# Altium PCB DC_Motor.PcbDoc
Units mil, origin at the board's own origin, x right, y up, seen from the top; angles counter-clockwise.
Board outline 2455 x 1125 mil, 2 copper layers (Top Layer, Bottom Layer); 46 components, 35 nets, 121 pads, 46 vias.
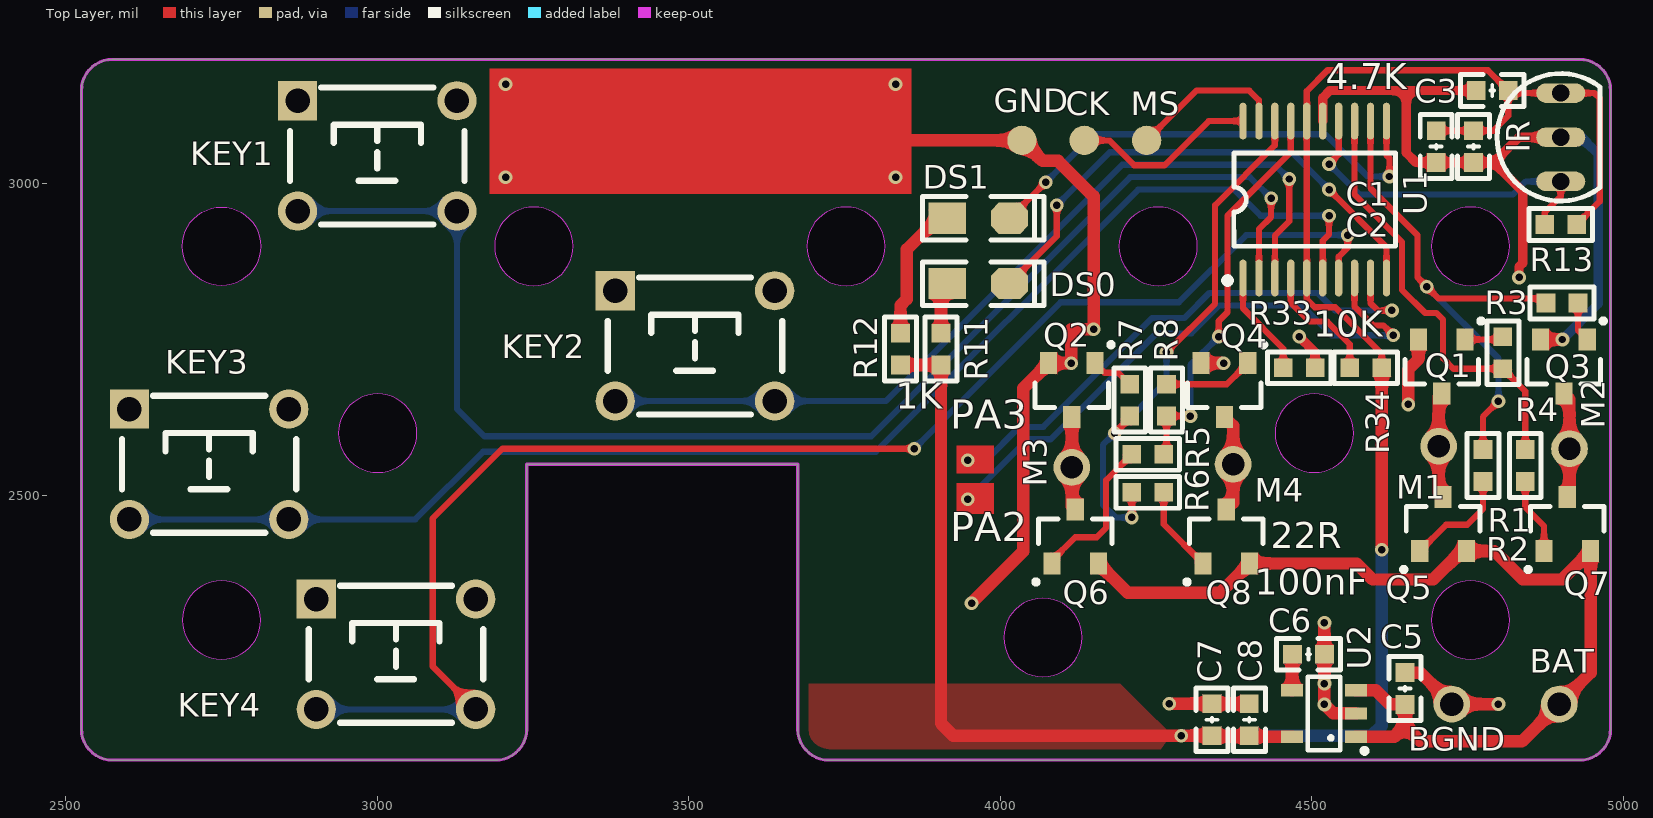
[diagram p0: Top Layer view]
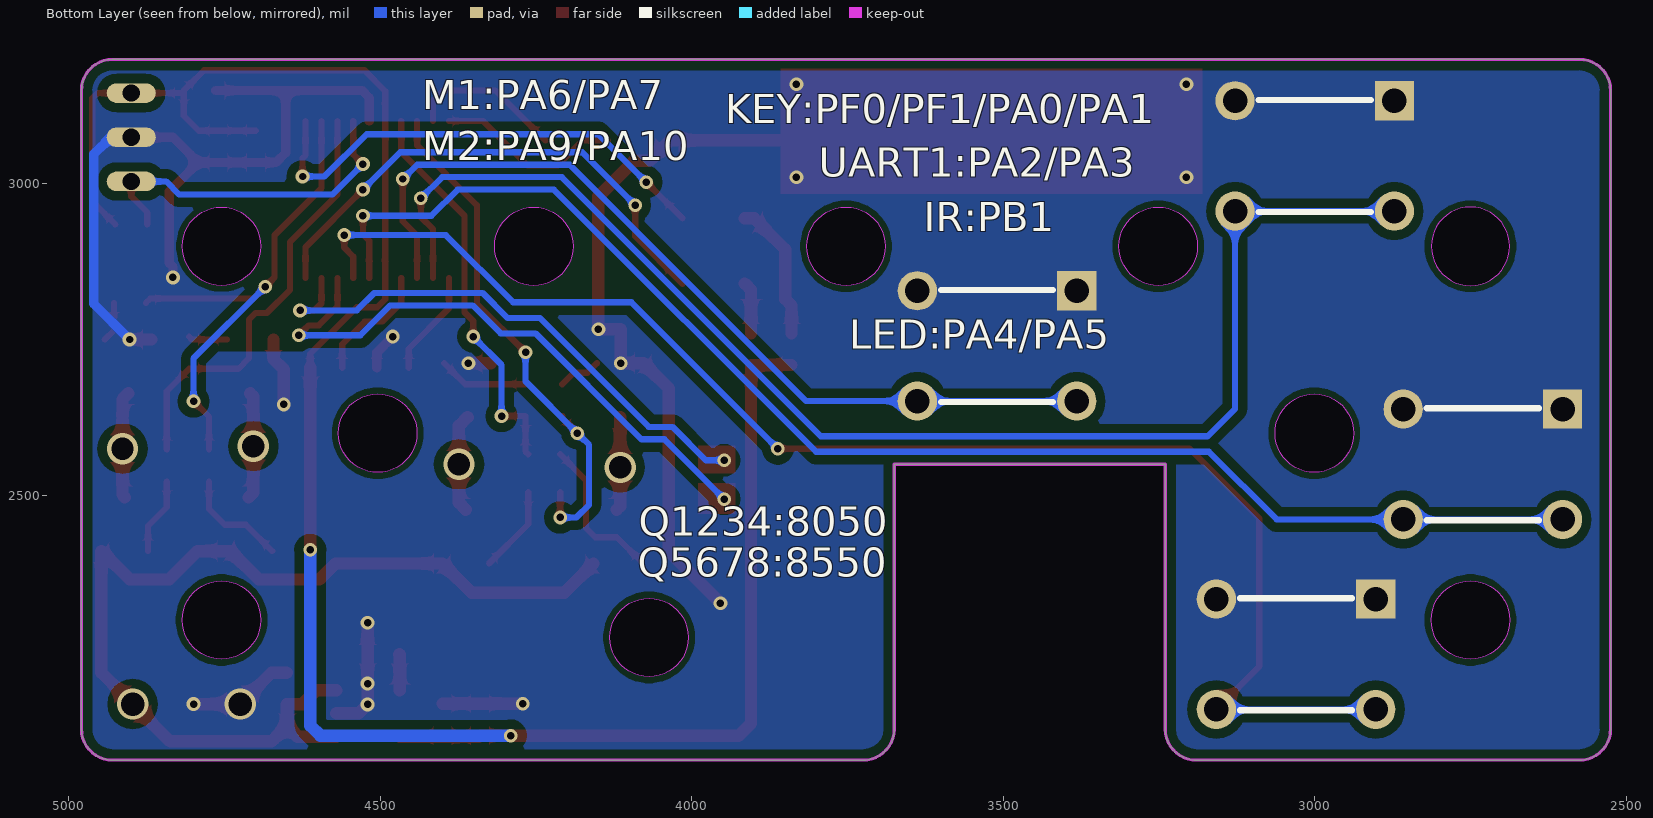
[diagram p1: Bottom Layer view, seen from below]
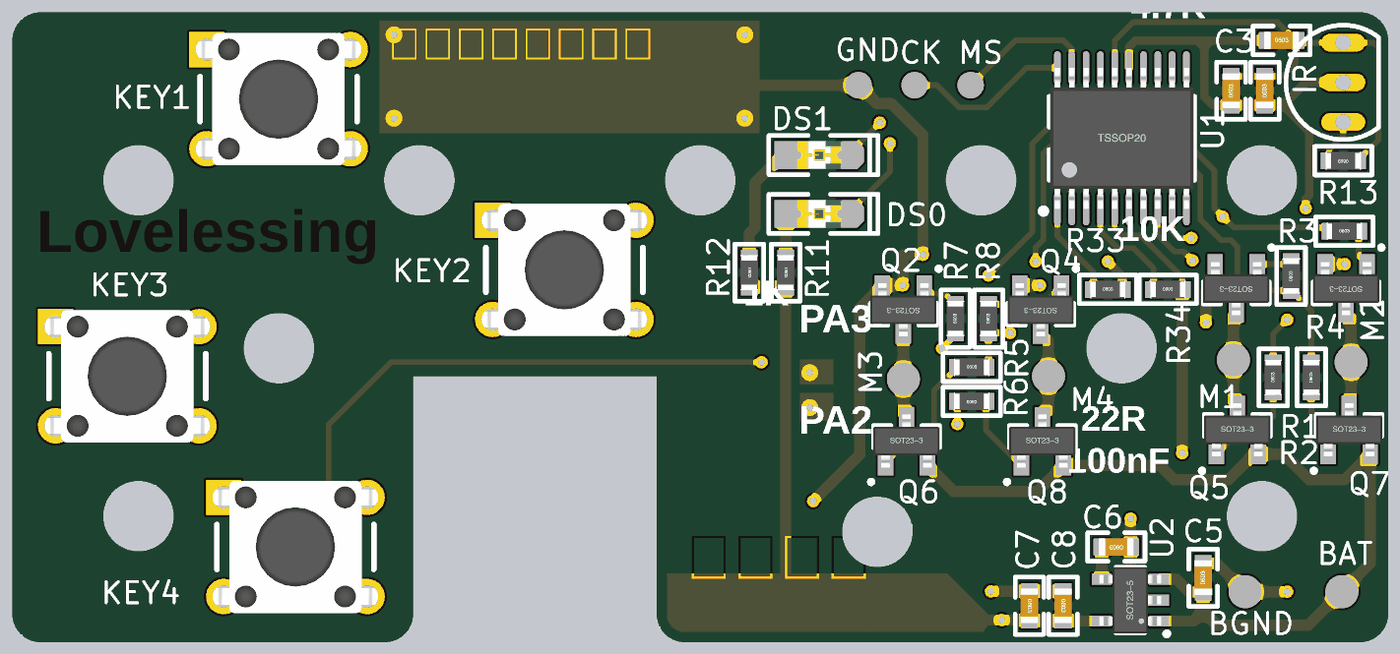
[diagram p2: 3D render of the assembled board from above, using the file's embedded part models]

## Layer stack, top to bottom
Top Solder: solder mask 0.4, Solder Resist, Dk 3.5
Top Layer: signal copper 1.4
Dielectric 1: dielectric 12.6, FR-4, Dk 4.8
Bottom Layer: signal copper 1.4
Bottom Solder: solder mask 0.4, Solder Resist, Dk 3.5

## Board outline
2525,2125 ccw(c2575,2125) 2575,2075 3190,2075 ccw(c3190,2125) 3240,2125 3240,2550 3675,2550 3675,2125 ccw(c3725,2125) 3725,2075 4930,2075 ccw(c4930,2125) 4980,2125 4980,3150 ccw(c4930,3150) 4930,3200 2575,3200 ccw(c2575,3150) 2525,3150
cut-out: 4692.01,2300 ccw(c4755,2300) 4755,2237.01 ccw(c4755,2300) 4817.99,2300 ccw(c4755,2300) 4755,2362.99 ccw(c4755,2300)
cut-out: 4692.01,2900 ccw(c4755,2900) 4755,2837.01 ccw(c4755,2900) 4817.99,2900 ccw(c4755,2900) 4755,2962.99 ccw(c4755,2900)
cut-out: 4441.38,2600 ccw(c4504.38,2600) 4504.38,2537.01 ccw(c4504.38,2600) 4567.37,2600 ccw(c4504.38,2600) 4504.38,2662.99 ccw(c4504.38,2600)
cut-out: 4190.76,2900 ccw(c4253.75,2900) 4253.75,2837.01 ccw(c4253.75,2900) 4316.74,2900 ccw(c4253.75,2900) 4253.75,2962.99 ccw(c4253.75,2900)
cut-out: 4005.67,2272.01 ccw(c4068.66,2272.01) 4068.66,2209.02 ccw(c4068.66,2272.01) 4131.65,2272.01 ccw(c4068.66,2272.01) 4068.66,2335 ccw(c4068.66,2272.01)
cut-out: 3689.51,2900 ccw(c3752.5,2900) 3752.5,2837.01 ccw(c3752.5,2900) 3815.49,2900 ccw(c3752.5,2900) 3752.5,2962.99 ccw(c3752.5,2900)
cut-out: 3188.26,2900 ccw(c3251.25,2900) 3251.25,2837.01 ccw(c3251.25,2900) 3314.24,2900 ccw(c3251.25,2900) 3251.25,2962.99 ccw(c3251.25,2900)
cut-out: 2937.63,2600 ccw(c3000.62,2600) 3000.62,2537.01 ccw(c3000.62,2600) 3063.62,2600 ccw(c3000.62,2600) 3000.62,2662.99 ccw(c3000.62,2600)
cut-out: 2687.01,2300 ccw(c2750,2300) 2750,2237.01 ccw(c2750,2300) 2812.99,2300 ccw(c2750,2300) 2750,2362.99 ccw(c2750,2300)
cut-out: 2750,2837.01 cw(c2750,2900) 2687.01,2900 cw(c2750,2900) 2750,2962.99 cw(c2750,2900) 2812.99,2900 cw(c2750,2900)

## Design rules (kind name [scope] priority, off if disabled: settings)
Clearance [All] p1: gap=10 except(15: Arc-Poly Track-Poly SMDPad-Poly THPad-Poly Via-Poly Fill-Poly Poly-Poly)
PlaneConnect [All] p1: planeconnectstyle=Direct reliefexpansion=20 reliefentries=4 reliefconductorwidth=10 reliefairgap=10
PolygonConnect [All] p1: connectstyle=Direct reliefconductorwidth=10 reliefentries=4 polygonreliefangle="90 Angle" airgapwidth=10
RoutingVias [All] p1: holewidth=12 width=22 viastyle="Through Hole" minholewidth=12 minwidth=22 maxholewidth=200 maxwidth=500
SolderMaskExpansion [All] p1: expansion=4
Width [All] p1: maxlimit=200 minlimit=10 preferedwidth=10 minimp=50.000000 maximp=50.000000 favimp=50.000000
29 further rules are at their usual default settings.

## Components (designator, comment, footprint, x,y, rotation, side; value= is the part's Value field where it differs from the comment)
BAT "TEST" TP-1.5#1 4890,2165 r90 bottom
BGND "TEST" TP-1.5#2 4605,2165 r90 bottom
C1 "104" "C 0603_L" 4700,3060 r90 top
C2 "104" "C 0603_L" 4760,3060 r90 top
C3 "104" "C 0603_L" 4790,3150 r0 top
C5 "10uF" "C 0603_L" 4650,2190 r90 top
C6 "103" "C 0603_L" 4495,2245 r180 top
C7 "104" "C 0603_L" 4340,2140 r270 top
C8 "10uF" "C 0603_L" 4400,2140 r270 top
CK "TEST POINT" TP-1.5#3 3890,3070 r0 top
DS0 "RED" "LED 0805R" 3965,2840 r0 top
DS1 "RED" "LED 0805R" 3965,2945 r0 top
GND "TEST POINT" TP-1.5#4 3660,3070 r90 top
IR "HS0038" 29-04 4900,3075 r0 top
KEY1 "KEY" "TSW DIP-6*6*5 - 2" 3000,3045 r0 top
KEY2 "KEY" "TSW DIP-6*6*5 - 2" 3510,2740 r0 top
KEY3 "KEY" "TSW DIP-6*6*5 - 2" 2730,2550 r0 top
KEY4 "KEY" "TSW DIP-6*6*5 - 2" 3030,2245 r0 top
M1 "TEST" TP-1.5#5 4704,2579 r180 bottom
M2 "TEST" TP-1.5#5 4914,2575 r180 bottom
M3 "TEST" TP-1.5#5 4115,2545 r180 bottom
M4 "TEST" TP-1.5#5 4374,2550 r180 bottom
MS "TEST POINT" TP-1.5#6 4235,3070 r0 top
Q1 "8050" SOT23-3L 4709,2707 r180 top
Q2 "8050" SOT23-3L 4115,2669 r180 top
Q3 "8050" SOT23-3L 4905,2707 r180 top
Q4 "8050" SOT23-3L 4360,2669 r180 top
Q5 "8550" SOT23-3L 4711,2454 r0 top
Q6 "8550" SOT23-3L 4120.53,2434 r0 top
Q7 "8550" SOT23-3L 4910.53,2454 r0 top
Q8 "8550" SOT23-3L 4363,2434 r0 top
R1 "22R" "R 0603_L" 4775,2548 r90 top
R2 "22R" "R 0603_L" 4843,2548 r90 top
R3 "22R" "R 0603_L" 4807,2729 r90 top
R4 "22R" "R 0603_L" 4902,2809 r0 top
R5 "22R" "R 0603_L" 4237,2566 r0 top
R6 "22R" "R 0603_L" 4237,2505 r180 top
R7 "22R" "R 0603_L" 4208,2653 r90 top
R8 "22R" "R 0603_L" 4267,2653 r90 top
R11 "1K" "R 0603_L" 3905,2735 r270 top
R12 "1K" "R 0603_L" 3840,2735 r270 top
R13 "4.7K" "R 0603_L" 4900,2935 r180 top
R33 "10K" "R 0603_L" 4480,2705 r0 top
R34 "10K" "R 0603_L" 4587,2705 r0 top
U1 "stm32F030f4p6" TSSOP20_N 4505,2975 r90 top
U2 "CAT6219-330TD" SOT23-5L 4520,2150 r90 top

## Footprints (in the part's own frame and the unit in brackets; to place one, negate y for a bottom-side part, rotate by r counter-clockwise, add the part's x,y. Pads: shape width x height; smd on the part's side, far side on the other; paste and mask are expansions set on the pad)
29-04 [mm] "TO, Flat Index; 3 In-Line, Axial Leads; Body Dia. 4.8mm; Leads 0.48 x 0.5 mm (max)"
  oval 2x0.8 hole 0.7: 1(0,-1.8) 2(0,0) 3(0,1.8)
  silkscreen extent -2.6,-2.6 1.6,2.6, body extent -2.6,-2.59 1.65,2.59, height 8
"C 0603_L" [mil] "无极性贴片电容"
  rect 30x30 smd: 1(-25.59,0) 2(25.59,0)
  silkscreen extent -51,-26 51,26, body extent -31,-16 31,16, height 32
"LED 0805R" [mil]
  rect 60x50 smd: 1(-50,0)
  oct 60x50 smd: 2(50,0)
  silkscreen extent -90,-35 105,35, body extent -39,-25 39,25, height 32
"R 0603_L" [mil] "1/10W贴片电阻"
  rect 30x30 smd: 1(-25.59,0) 2(25.59,0)
  silkscreen extent -51,-26 51,26, body extent -31,-16 32,16, height 16
SOT23-3L [mm]
  rect 0.7x0.9 smd: 1(-0.95,-1.1) 2(0.95,-1.1) 3(0,1.1)
  silkscreen extent -1.69,-1.94 1.5,0.71, body extent -1.5,-1.19 1.5,1.21, height 1.05
SOT23-5L [mm]
  rect 0.5x0.9 smd: 1(-0.95,-1.3) 2(0,-1.3) 3(0.95,-1.3) 4(0.95,1.3) 5(-0.95,1.3)
  silkscreen extent -1.6,-1.73 1.5,0.66, body extent -1.5,-1.4 1.5,1.4, height 1.15
TP-1.5#1 [mm]
  round 1.5 smd far side: 1(0,0.193)
TP-1.5#2 [mm]
  round 1.5 smd far side: 1(0,3.048)
TP-1.5#3 [mm]
  round 1.2 smd: 1(6.223,0)
TP-1.5#4 [mm]
  round 1.2 smd: 1(0,-9.525)
TP-1.5#5 [mm]
  round 1.5 smd far side: 1(0,0)
TP-1.5#6 [mm]
  round 1.2 smd: 1(0,0)
TSSOP20_N [mm] "6.5*6.4*1（长宽高）"
  oval 1.5x0.3 smd: 1(-3.2,2.925) 2(-3.2,2.275) 3(-3.2,1.625) 4(-3.2,0.975) 5(-3.2,0.325) 6(-3.2,-0.325) 7(-3.2,-0.975) 8(-3.2,-1.625) 9(-3.2,-2.275) 10(-3.2,-2.925) 11(3.2,-2.925) 12(3.2,-2.275) 13(3.2,-1.625) 14(3.2,-0.975) 15(3.2,-0.325) 16(3.2,0.325) 17(3.2,0.975) 18(3.2,1.625) 19(3.2,2.275) 20(3.2,2.925)
  silkscreen extent -3.43,-3.3 1.91,3.69, body extent -3.2,-3.25 3.2,3.25, height 1.03
"TSW DIP-6*6*5 - 2" [mm]
  rect 1.6x1.6 hole 1: 1(-3.25,2.25)
  round 1.6 hole 1: 1(3.25,2.25) 2(-3.25,-2.25) 2(3.25,-2.25)
  silkscreen extent -3.56,-2.79 3.56,2.79, body extent -4.11,-3 4.11,3, height 4.95

## Part data
BAT BGND CK GND M1 M2 M3 M4 MS: library part TEST-POINT, "测试点"
C1 C2 C3 C5 C6 C7 C8: library part C
DS0 DS1: library part LED-SMD, "贴片LED"
KEY1 KEY2 KEY3 KEY4: "按键"
Q1 Q2 Q3 Q4: library part 8050NPN
Q5 Q6 Q7 Q8: library part 8550PNP
R1 R2 R3 R4 R5 R6 R7 R8 R11 R12 R13 R33 R34: library part R
U1: library part stm32f030
U2: "3.3V 500mA LDO"

## Via types
v1: diameter 22, hole 12, Top Layer to Bottom Layer, 40 vias
v2: diameter 50, hole 36, Top Layer to Bottom Layer, 4 vias
v3: diameter 50, hole 38, Top Layer to Bottom Layer, 2 vias

## Nets (pads, with @x,y where several pads share a name; then routed paths per layer and width w, separated by ;. In a path a pad name is that pad's centre, name@x,y a point inside that pad or via, vN(x,y) a via of type N, cw(c..) or ccw(c..) an arc to the next point about the centre after c; other vN are vias at no path point)
BOOT0: R33.1 U1.1 | length 170.8
  Top Layer w10: U1.1 4389.84,2800.16 4454.41,2735.59 R33.1
GND: BGND.1 C1.1 C2.1 C3.1 C5.2 C6.1 C7.1 C8.1 GND.1 IR.2 KEY1.1 KEY2.1 KEY3.1 KEY4.1 Q1.2 Q2.2 Q3.2 Q4.2 R33.2 U1.15 U2.2 | length 3110.1
  Top Layer w15: v1(4480,2755) 4505.59,2729.41 R33.2 ; U1.15 4517.8,3138.51 4529.28,3150 4652,3150 ; C3.1 4652,3150 ; v1(4833,2850) 4833,2867 4839,2873 4839,2987.81 4792.41,3034.41 ; IR.2 4833,3075 4792.41,3034.41 ; 4652,3150 4652,3050 4667.59,3034.41 C1.1 C2.1 4792.41,3034.41
  Top Layer w20: 3843,3070 GND.1 4068,3037 4093,3037 4150,2980 v1(4150,2767) 4114.31,2767 v1(4114.31,2712.31) Q2.2 4037,2671.71 4037,2410 v1(3954,2327) ; v1(4271.41,2165.59) C7.1 C8.1 ; Q4.2 v1(4358.69,2712.31) ; v1(4520.59,2295.59) C6.1 v1(4520.59,2198) v1(4520.59,2164.41) 4535,2150 U2.2 ; C5.2 4674.41,2215.59 v3(4725,2165) v1(4800,2165) ; v1(4655,2646) 4655,2702 4671.6,2718.6 Q1.2 ; Q3.2 v1(4902.69,2750.31)
  Bottom Layer w15: IR.2 4933,3075 4960,3048 4960,2807.61 v1(4902.69,2750.31)
  other v1: 3206,3011 3832,3011 3206,3160 3832,3160
JTCK: CK.1 U1.20 | length 300.8
  Top Layer w10: CK.1 4175,3070 4215,3030 4264,3030 4334.98,3100.98 U1.20
JTMS: MS.1 U1.19 | length 253.5
  Top Layer w10: MS.1 4315,3150 4400,3150 4415.43,3134.57 U1.19
M1H: R1.2 R4.1 U1.12 | length 825
  Top Layer w10: U1.12 4594.57,2993.43 4670,2918 4670,2850 v1(4685,2835) 4704,2816 4869.4,2816 R4.1 ; R1.2 4775,2626 v1(4800,2651)
  Bottom Layer w10: v1(4685,2835) 4800,2720 v1(4800,2651)
M1L: R2.2 R3.1 U1.13 | length 698
  Top Layer w10: U1.13 4568.98,2983.02 4645,2907 4645,2830 4682,2793 4700,2793 4711,2782 4711,2720 4727.59,2703.41 R3.1 4843,2667.41 R2.2
M2H: R5.2 R8.1 U1.17 | length 642
  Top Layer w10: R5.2 4267,2570.41 R8.1 v1(4305.41,2627.41) ; v1(4351,2755) 4351,2780 4365,2794 4365,2949 4466.61,3050.61 U1.17
  Bottom Layer w10: v1(4305.41,2627.41) 4305.41,2709.41 v1(4351,2755)
M2L: R6.2 R7.1 U1.18 | length 862.9
  Top Layer w10: v1(4184,2600) 4208,2624 R7.1 ; v1(4211.41,2464.59) R6.2 ; v1(4267,2730) 4345,2808 4345,2966 4441.02,3062.02 U1.18
  Bottom Layer w10: v1(4211.41,2464.59) 4185.41,2464.59 4165,2485 4165,2581 v1(4184,2600) 4267,2683 v1(4267,2730)
NetC6_2: C6.2 U2.4 | length 57.8
  Top Layer w20: U2.4 4468.82,2244.41 C6.2
NetDS0_1: DS0.1 R11.1 | length 83.5
  Top Layer w20: R11.1 3905,2830 DS0.1
NetDS1_1: DS1.1 R12.1 | length 224.3
  Top Layer w20: R12.1 3840,2805 3850,2815 3850,2895 3900,2945 DS1.1
NetM1_1: M1.1 Q1.3 Q5.3 | length 171.4
  Top Layer w20: Q1.3 4704,2658.69 v2(4704,2579) 4704,2504.31 Q5.3
NetM2_1: M2.1 Q3.3 Q7.3 | length 171.6
  Top Layer w20: Q3.3 4914,2654.69 v2(4914,2575) 4914,2500.78 Q7.3
NetM3_1: M3.1 Q2.3 Q6.3 | length 154.1
  Top Layer w20: M3.1@4112.6,2542.6 v2(4115,2545) ; Q2.3 v2(4115,2545) ; Q6.3 4115,2482.84 v2(4115,2545)
NetM4_1: M4.1 Q4.3 Q8.3 | length 158.7
  Top Layer w20: Q4.3 4374,2611.69 v2(4374,2550) 4374,2488.31 Q8.3
NetQ1_1: Q1.1 R3.2 | length 62.4
  Top Layer w10: Q1.1 4802.72,2750.31 R3.2
NetQ2_1: Q2.1 R7.2 | length 69.6
  Top Layer w10: Q2.1 4167.71,2697 4189.59,2697 R7.2
NetQ3_1: Q3.1 R4.2 | length 64.8
  Top Layer w10: R4.2 4927.59,2765.12 Q3.1
NetQ4_1: Q4.1 R8.2 | length 144.4
  Top Layer w10: R8.2 4363.68,2678.59 Q4.1
NetQ5_1: Q5.1 R1.1 | length 173.7
  Top Layer w10: Q5.1 4715.91,2453 4750,2453 4775,2478 R1.1
NetQ6_1: Q6.1 R5.1 | length 243.7
  Top Layer w10: Q6.1@4083.13,2395.69 4120.44,2433 4155,2433 4170,2448 4170,2524.59 R5.1
NetQ7_1: Q7.1 R2.1 | length 124.2
  Top Layer w10: R2.1 4843,2481 4873.13,2450.87 Q7.1
NetQ8_1: Q8.1 R6.1 | length 140.4
  Top Layer w10: R6.1 4262.59,2453.7 Q8.1
PA0: KEY3.2 U1.6 | length 2266.9
  Top Layer w10: U1.6 4517.8,2908.8 4528,2919 v1(4528,2949)
  Bottom Layer w10: KEY3.2@2602.05,2461.42 2857.95,2461.42 3061.26,2461.42 3169.84,2570 3800.57,2570 4221.57,2991 4376,2991 4418,2949 v1(4528,2949)
PA1: KEY4.2 U1.7 | length 2323.6
  Top Layer w10: KEY4.2@3157.95,2156.42 3089,2225.37 3089,2463 3201,2575 v1(3862,2575) ; U1.7 4543.39,2883.39 4558,2898 v1(4558,2918)
  Bottom Layer w10: KEY4.2@2902.05,2156.42 KEY4.2@3157.95,2156.42 ; v1(3862,2575) 4097,2810 4287,2810 4395,2918 v1(4558,2918)
PA2: U1.8 | length 958.8
  Top Layer w10: U1.8 4568.98,2803.02 4599,2773 4615,2773 v1(4631,2757)
  Bottom Layer w10: v1(3948,2494) 4044,2590 4081,2590 4251,2760 4307,2760 4352,2805 4484,2805 4532,2757 v1(4631,2757)
PA3: U1.9 | length 883.6
  Top Layer w10: U1.9 4594.57,2808.43 4606,2797 v1(4629,2797)
  Bottom Layer w10: v1(3948,2556.46) 3977.46,2556.46 4031,2610 4069,2610 4244,2785 4296,2785 4336,2825 4510,2825 4538,2797 v1(4629,2797)
PA4: DS0.2 U1.10 | length 834.7
  Top Layer w10: DS0.2 4091,2916 v1(4091,2966) ; v1(4528,2991) 4620.16,2898.84 U1.10
  Bottom Layer w10: v1(4091,2966) 4176,3051 4468,3051 v1(4528,2991)
PA5: DS1.2 U1.11 | length 785.1
  Top Layer w10: DS1.2 v1(4073,3003) ; U1.11 4620.16,3046 4625,3041.16 v1(4625,3012)
  Bottom Layer w10: v1(4073,3003) 4150,3080 4522,3080 4590,3012 v1(4625,3012)
PB1: IR.1 R13.2 U1.14 | length 556.1
  Top Layer w10: v1(4528,3032) 4543.39,3047.39 U1.14 ; R13.2 4874.41,2954.41 4900,2980 IR.1
  Bottom Layer w10: v1(4528,3032) 4577,2983 4823,2983 4844.13,3004.13 IR.1
PF0: KEY1.2 U1.2 | length 2221.1
  Top Layer w10: U1.2 4415.43,2927.43 4435,2947 v1(4435,2977)
  Bottom Layer w10: KEY1.2@2872.05,2956.42 3127.95,2956.42 3127.95,2639.05 3172,2595 3793,2595 4209,3011 4401,3011 v1(4435,2977)
PF1: KEY2.2 U1.3 | length 1417.2
  Top Layer w10: U1.3 4441.02,2917.02 4464,2940 v1(4464,3008)
  Bottom Layer w10: KEY2.2@3382.05,2651.42 3637.95,2651.42 3816.42,2651.42 4196,3031 4441,3031 v1(4464,3008)
RESET: R34.1 U1.4 | length 199.7
  Top Layer w10: U1.4 4466.61,2809.39 4497,2779 4525,2779 4561.41,2742.59 R34.1
VCC: BAT.1 C5.1 Q5.2 Q6.2 Q7.2 Q8.2 U2.1 U2.3 | length 1654.2
  Top Layer w20: Q6.2 4204.63,2344 4353.71,2344 Q8.2 4572.31,2390.69 4598,2365 4695,2365 4740.69,2410.69 Q5.2 4793.31,2410.69 4839,2365 4902.24,2365 Q7.2 4947.93,2215.34 v3(4897.6,2165) 4837.6,2105 4675.01,2105 4650,2130 ; U2.1 4632.6,2112.6 4650,2130 ; U2.3 4602.6,2187.4 4625.59,2164.41 C5.1 4650,2130
VCC3.3: C1.2 C2.2 C3.2 C7.2 C8.2 IR.3 R11.2 R12.2 R13.1 R34.2 U1.5 U1.16 U2.5 | length 3516.1
  Top Layer w10: R34.2 4612.59,2727.41 4538,2802 4505,2802 4492.2,2814.8 U1.5 U1.16 4492.2,3149.2 4525.5,3182.5 4783.12,3182.5 C3.2 ; C1.2 C2.2 4791.59,3085.59 4815.59,3109.59 C3.2 4819.72,3145.87 IR.3 4954.13,3145.87 4962.5,3137.5 4962.5,2971.91 R13.1
  Top Layer w20: R12.2 R11.2 3905,2134 3924.59,2114.41 v1(4290.59,2114.41) C7.2 4341.81,2112.6 U2.5 ; v1(4612.59,2412.59) R34.2
  Bottom Layer w20: v1(4290.59,2114.41) 4596.41,2114.41 4612.59,2130.59 v1(4612.59,2412.59)

## Polygon pours and split planes (outlines as drawn)
GND on Bottom Layer "AutoNaming" (solid, remove dead copper, pour order 2): 2520,3205 4985,3205 4985,2070 2520,2070
VCC3.3 on Top Layer "AutoNaming" (solid, remove dead copper, pour order 3): 4268,2107.23 4268,2123 4234,2157 4193,2198 4036,2198 3675,2198 3675,2157 3675,2070 3680,2075 4244.72,2075

## Keep-outs
Keep-Out Layer:
  the board outline again, w5

## Other copper
Top Layer:
  rectangle net GND: 3180,2984 3858,3185
  rectangle net PA3: 3930,2535 3990,2580
  rectangle net PA2: 3930,2470 3990,2520
Bottom Layer:
  pour cut-out: 4631,2730.78 4643.22,2743 4757,2743 4760.39,2730.78

## Silkscreen, mask and mechanical layers (free items; w line width, h text height)
Top Overlay:
  text "4.7K" at 4523,3138 h72
  text "10K" at 4503,2740 h72
  text "1K" at 3832,2625 h72
  text "PA3" at 3920,2592 h80
  text "PA2" at 3920,2411 h80
  text "22R" at 4434,2401 h72
  text "100nF" at 4409,2326 h72
Bottom Overlay:
  text "M1:PA6/PA7" at 4433,3105 h80
  text "KEY:PF0/PF1/PA0/PA1" at 3946,3082 h80
  text "M2:PA9/PA10" at 4433,3023 h80
  text "UART1:PA2/PA3" at 3796,2995.98 h80
  text "IR:PB1" at 3628,2909 h80
  text "LED:PA4/PA5" at 3747,2720 h80
  text "Q1234:8050" at 4085,2420 h80
  text "Q5678:8550" at 4087,2354 h80
Top Solder:
  text "微型直流电机驱动" at 3186.92,2990.67 h90
  text "Lovelessing" at 2570,2751 h120
  text "联轴器片" at 3718,2107 h125.98
Mechanical 1:
  circle w10: c4755,2900 r62.99
  circle w10: c4755,2300 r62.99
  circle w10: c4068.66,2272.01 r62.99
  circle w10: c4504.38,2600 r62.99
  circle w10: c4253.75,2900 r62.99
  circle w10: c3752.5,2900 r62.99
  circle w10: c3251.25,2900 r62.99
  circle w10: c3000.62,2600 r62.99
  circle w10: c2750,2300 r62.99
  circle w10: c2750,2900 r62.99
  pour cut-out: 2687.01,2300 ccw(c2750,2300) 2750,2237.01 ccw(c2750,2300) 2812.99,2300 ccw(c2750,2300) 2750,2362.99 ccw(c2750,2300)
  lines w5: 2525,2125 ccw(c2575,2125) 2575,2075 3190,2075 ccw(c3190,2125) 3240,2125 3240,2550 3675,2550 3675,2125 ccw(c3725,2125) 3725,2075 4930,2075 ccw(c4930,2125) 4980,2125 4980,3150 ccw(c4930,3150) 4930,3200 2575,3200 ccw(c2575,3150) 2525,3150 2525,2125